# Altium PCB ANALOG_BOARD.PcbDoc (part 2 of 2)
Units mm, origin at the board's own origin, x right, y up, seen from the top; angles counter-clockwise.
Board outline 62.7 x 85.8 mm, 4 copper layers (Top Layer, PWR02, GND03, Bottom Layer), stack 1.883 mm thick; 241 components, 167 nets, 768 pads, 313 vias.
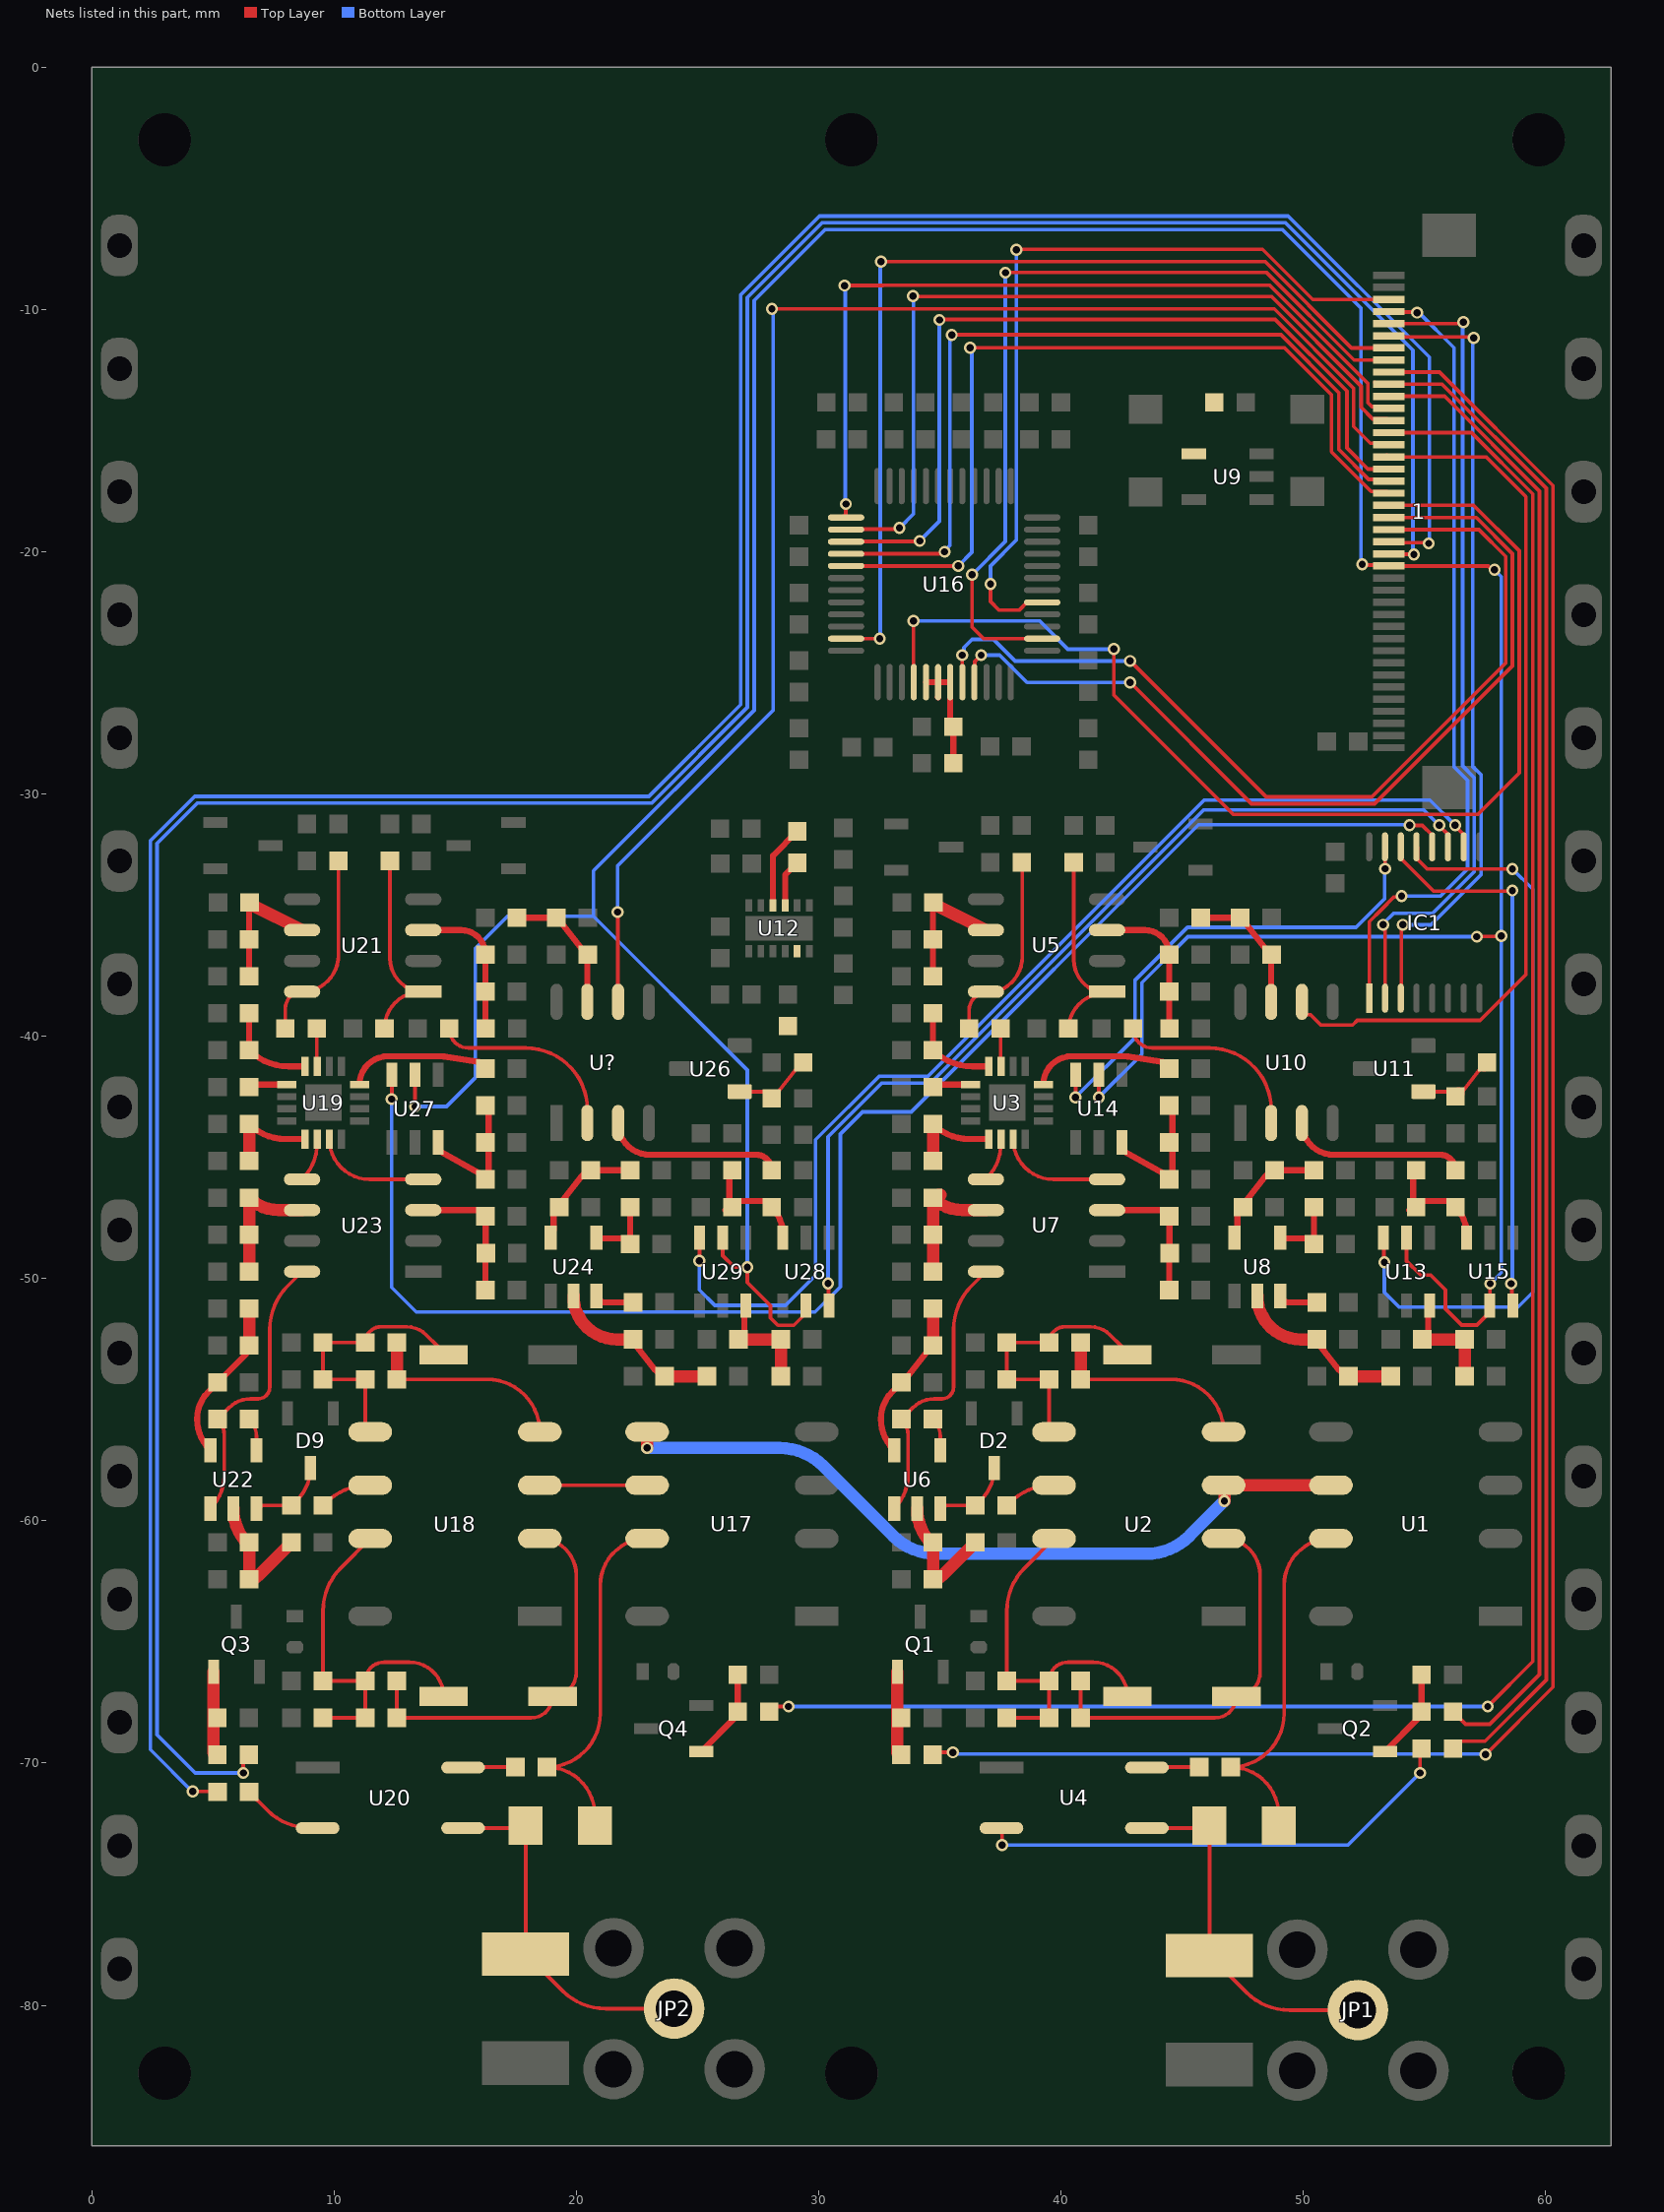
[diagram p4: the nets of this part, all layers, seen from the top]

## Via types
v1: diameter 0.5, hole 0.3, Top Layer to Bottom Layer, tented both sides, 313 vias

## Nets (pads, with @x,y where several pads share a name; then routed paths per layer and width w, separated by ;. In a path a pad name is that pad's centre, name@x,y a point inside that pad or via, vN(x,y) a via of type N, cw(c..) or ccw(c..) an arc to the next point about the centre after c; other vN are vias at no path point) (continued)
Net1_16: 1.16 U13.5 U14.5 U15.5 U27.5 U28.5 U29.5 | length 169.8
  Top Layer w0.152: v1(13.335,-42.901) U27.5@13.335,-41.591 ; U29.5@26.035,-48.322 26.035,-49.055 26.51,-49.53 v1(27.051,-49.53) 27.051,-50.165 28.009,-51.123 28.009,-51.623 28.315,-51.928 28.971,-51.928 29.315,-51.584 29.315,-51.264 U28.5@29.464,-51.116 ; v1(41.554,-42.52) U14.5@41.554,-41.591 ; v1(52.426,-20.523) 52.459,-20.556 53.482,-20.556 1.16@53.515,-20.589 57.63,-20.589 57.793,-20.752 v1(57.887,-20.752) ; U13.5@54.254,-48.322 54.254,-49.276 54.839,-49.86 55.245,-49.86 55.855,-50.47 55.855,-51.249 56.523,-51.918 57.156,-51.918 57.683,-51.391 U15.5@57.683,-51.116 57.696,-51.103 57.696,-50.228 v1(57.709,-50.216) ; v1(57.155,-35.89) 57.167,-35.877 58.154,-35.877 v1(58.166,-35.865)
  Bottom Layer w0.152: v1(13.335,-42.901) 14.636,-42.901 15.82,-41.717 15.82,-36.391 17.159,-35.052 20.701,-35.052 ; v1(27.051,-49.53) 27.051,-41.402 20.701,-35.052 ; v1(41.554,-42.52) 43.332,-40.742 43.332,-37.79 45.233,-35.89 v1(57.155,-35.89) ; v1(52.426,-20.523) 52.375,-20.472 52.375,-9.943 49.138,-6.706 30.254,-6.706 27.33,-9.629 27.33,-26.546 20.701,-33.175 20.701,-35.052 ; v1(57.709,-50.216) 58.166,-49.759 58.166,-21.031 v1(57.887,-20.752)
Net1_17: 1.17 R46.2 | length 125.9
  Top Layer w0.152: v1(6.248,-70.409) 6.248,-69.886 R46.2@6.477,-69.658 ; 1.17@53.515,-20.089 53.527,-20.101 54.547,-20.101 v1(54.559,-20.113)
  Bottom Layer w0.152: v1(6.248,-70.409) 4.267,-70.409 2.692,-68.834 2.692,-32.044 4.358,-30.378 23.103,-30.378 27.051,-26.43 27.051,-9.514 30.139,-6.426 49.253,-6.426 54.515,-11.688 54.515,-20.069 v1(54.559,-20.113)
Net1_18: 1.18 R41.1 | length 126.3
  Top Layer w0.152: v1(4.166,-71.171) 5.13,-71.171 cw(c5.13,-71.258) R41.1@5.192,-71.196 ; 1.18@53.474,-19.548 1.18@53.515,-19.589 53.55,-19.624 55.134,-19.624 v1(55.169,-19.66)
  Bottom Layer w0.152: v1@4.218,-71.249 2.413,-69.444 2.413,-31.928 4.242,-30.099 22.987,-30.099 26.772,-26.314 26.772,-9.398 30.023,-6.147 49.369,-6.147 55.194,-11.972 55.194,-19.634 v1(55.169,-19.66)
Net1_19: 1.19 U16.8 | length 38.7
  Top Layer w0.152: U16.8@35.922,-25.386 v1@35.922,-24.208 ; v1(42.85,-24.511) 48.463,-30.124 52.818,-30.124 58.344,-24.598 58.344,-20.196 57.237,-19.089 1.19@53.515,-19.089
  Bottom Layer w0.152: v1(35.922,-24.269) 35.984,-24.206 35.984,-23.96 36.322,-23.622 37.211,-23.622 38.1,-24.511 v1(42.85,-24.511)
Net1_20: 1.20 U16.9 | length 38.4
  Top Layer w0.152: U16.9@36.422,-25.386 36.44,-25.367 36.44,-24.532 36.697,-24.275 v1(36.697,-24.269) ; v1(42.85,-25.4) 47.854,-30.404 52.934,-30.404 58.623,-24.714 58.623,-20.08 57.132,-18.589 1.20@53.515,-18.589
  Bottom Layer w0.152: v1(36.697,-24.269) 37.463,-24.269 38.594,-25.4 v1(42.85,-25.4)
Net1_21: 1.21 U16.4 | length 48
  Top Layer w0.152: v1(33.909,-22.86) 33.909,-25.373 U16.4@33.922,-25.386 ; v1(42.171,-24.022) 42.171,-25.915 47.098,-30.842 57.196,-30.842 57.315,-30.723 58.903,-29.136 58.903,-19.964 57.027,-18.089 1.21@53.515,-18.089
  Bottom Layer w0.152: v1(33.909,-22.86) 39.116,-22.86 40.278,-24.022 v1(42.171,-24.022)
Net1_22: 1.22 U16.41 | length 35
  Top Layer w0.152: U16.41@31.126,-20.59 v1(35.751,-20.59) ; v1(36.246,-11.582) 49.211,-11.582 50.949,-13.321 51.156,-13.527 51.156,-15.875 52.796,-17.515 53.441,-17.515 1.22@53.515,-17.589
  Bottom Layer w0.152: v1(35.751,-20.59) 36.314,-20.027 36.314,-11.745 36.246,-11.676 v1(36.246,-11.582)
Net1_23: 1.23 U16.40 | length 35.1
  Top Layer w0.152: U16.40@31.126,-20.09 35.014,-20.09 35.099,-20.004 v1(35.193,-20.004) ; v1(35.484,-11.049) 49.072,-11.049 51.46,-13.437 51.46,-15.785 52.691,-17.015 53.441,-17.015 1.23@53.515,-17.089
  Bottom Layer w0.152: v1(35.193,-20.004) 35.193,-19.955 35.408,-19.741 35.408,-11.219 35.484,-11.143 v1(35.484,-11.049)
Net1_24: 1.24 U16.39 | length 35
  Top Layer w0.152: U16.39@31.126,-19.59 31.142,-19.574 34.147,-19.574 v1(34.163,-19.558) ; v1(34.976,-10.435) 34.997,-10.414 48.832,-10.414 51.791,-13.372 51.791,-15.72 52.66,-16.589 1.24@53.515,-16.589
  Bottom Layer w0.152: v1(34.163,-19.558) 34.976,-18.745 v1(34.976,-10.435)
Net1_25: 1.25 U10.6 | length 36.9
  Top Layer w0.152: U10.6@49.936,-38.583 49.936,-38.947 50.097,-39.108 50.284,-39.108 50.712,-39.536 52.031,-39.536 52.222,-39.345 57.292,-39.345 59.182,-37.454 59.182,-17.735 57.536,-16.089 1.25@53.515,-16.089 1.25@53.441,-16.015
Net1_26: 1.26 U?.6 | length 60
  Top Layer w0.152: v1(21.692,-34.874) 21.704,-34.887 21.704,-38.57 U?.6@21.717,-38.583 ; v1(28.063,-9.982) 48.796,-9.982 52.07,-13.256 52.07,-14.834 52.761,-15.525 53.451,-15.525 1.26@53.515,-15.589
  Bottom Layer w0.152: v1(21.692,-34.874) 21.692,-32.975 28.118,-26.549 28.118,-10.037 v1(28.063,-9.982)
Net1_27: 1.27 R49.2 | length 87.7
  Top Layer w0.152: R49.2@28.046,-67.97 28.046,-67.88 28.26,-67.666 v1(28.753,-67.666) ; 1.27@53.515,-15.089 56.931,-15.089 59.461,-17.619 59.461,-65.811 v1(57.607,-67.666)
  Top Layer w0.508: R49.2@27.955,-67.88 R49.2@28.046,-67.97
  Bottom Layer w0.152: v1(28.753,-67.666) v1(57.607,-67.666)
Net1_28: 1.28 U16.38 | length 34.3
  Top Layer w0.152: U16.38@31.126,-19.09 31.144,-19.071 33.278,-19.071 v1(33.325,-19.025) ; v1(33.884,-9.453) 33.905,-9.474 48.683,-9.474 52.382,-13.174 52.382,-14.044 52.854,-14.515 53.441,-14.515 1.28@53.515,-14.589
  Bottom Layer w0.152: v1(33.325,-19.025) 33.909,-18.44 33.909,-9.478 v1(33.884,-9.453)
Net1_29: 1.29 U16.37 | length 34.8
  Top Layer w0.152: U16.37@31.013,-18.545 31.058,-18.59 U16.37@31.126,-18.59 31.115,-18.579 v1(31.115,-18.034) ; v1(31.064,-9.017) 32.639,-9.017 32.657,-9 48.603,-9 52.662,-13.058 52.662,-13.853 52.824,-14.015 53.441,-14.015 1.29@53.515,-14.089
  Bottom Layer w0.152: v1(31.064,-9.017) 31.09,-9.042 31.09,-18.009 v1(31.115,-18.034)
Net1_30: 1.30 R16.2 | length 61.4
  Top Layer w0.152: 1.30@53.441,-13.515 1.30@53.515,-13.589 55.826,-13.589 59.741,-17.503 59.741,-66.351 57.692,-68.4 56.695,-68.4 R16.2@56.174,-67.88
Net1_31: 1.31 R8.1 | length 62.6
  Top Layer w0.152: 1.31@52.941,-13.015 1.31@53.015,-13.089 ; 1.31@53.515,-13.089 55.721,-13.089 60.02,-17.388 60.02,-66.573 57.495,-69.099 56.479,-69.099 R8.1@56.174,-69.404
Net1_32: 1.32 R13.2 | length 85.2
  Top Layer w0.152: R13.2@34.762,-69.723 34.926,-69.559 v1(35.535,-69.559) ; 1.32@53.515,-12.589 55.617,-12.589 60.3,-17.272 60.3,-66.865 v1(57.512,-69.653)
  Top Layer w0.508: R13.2@34.696,-69.658 R13.2@34.762,-69.723
  Bottom Layer w0.152: v1(35.535,-69.559) 35.601,-69.625 57.483,-69.625 v1(57.512,-69.653)
Net1_33: 1.33 U16.14 | length 35.6
  Top Layer w0.152: v1(36.322,-20.955) 36.322,-23.114 36.798,-23.59 U16.14@39.218,-23.59 ; v1(37.698,-8.484) 37.702,-8.48 48.479,-8.48 52.088,-12.089 1.33@53.515,-12.089
  Bottom Layer w0.152: v1(36.322,-20.955) 37.698,-19.579 v1(37.698,-8.484)
Net1_34: 1.34 U16.47 | length 39.4
  Top Layer w0.152: U16.47@31.126,-23.59 31.127,-23.592 32.51,-23.592 v1(32.512,-23.593) ; v1(32.563,-8.026) 48.42,-8.026 51.983,-11.589 1.34@53.515,-11.589
  Bottom Layer w0.152: v1(32.512,-23.593) 32.537,-23.568 32.537,-8.052 v1(32.563,-8.026)
Net1_35: 1.35 IC1.3 | length 33
  Top Layer w0.152: 1.35@53.515,-11.089 53.559,-11.133 56.98,-11.133 v1(57.023,-11.176) ; IC1.3@54.016,-38.431 54.035,-38.412 54.035,-35.461 v1(54.095,-35.4)
  Bottom Layer w0.152: v1(54.095,-35.4) 55.255,-35.4 57.328,-33.328 57.328,-29.21 56.98,-28.862 56.98,-11.219 v1(57.023,-11.176)
Net1_36: 1.36 IC1.2 | length 33.8
  Top Layer w0.152: v1(53.289,-35.4) 53.356,-35.467 53.356,-35.654 53.365,-35.664 53.365,-36.783 ; IC1.2@53.366,-38.431 53.366,-36.784 ; 1.36@53.515,-10.589 53.516,-10.588 56.544,-10.588 v1(56.604,-10.528)
  Bottom Layer w0.152: v1(53.289,-35.4) 53.289,-35.357 53.721,-34.925 55.335,-34.925 57.048,-33.212 57.048,-29.326 56.57,-28.847 56.57,-10.562 v1(56.604,-10.528)
Net1_37: 1.37 IC1.1 | length 33.2
  Top Layer w0.152: IC1.1@52.716,-38.431 52.716,-35.27 53.211,-34.775 53.725,-34.26 54.005,-34.26 v1(54.051,-34.214) ; 1.37@53.515,-10.089 53.538,-10.112 54.663,-10.112 v1(54.686,-10.135)
  Bottom Layer w0.152: v1(54.051,-34.214) 55.651,-34.214 56.769,-33.096 56.769,-29.441 56.21,-28.883 56.21,-11.584 54.761,-10.135 v1(54.686,-10.135)
Net1_38: 1.38 U16.17 | length 33.6
  Top Layer w0.152: v1(37.084,-21.336) 37.084,-22.058 37.443,-22.416 38.266,-22.416 38.593,-22.09 U16.17@39.218,-22.09 ; v1(38.151,-7.54) 38.172,-7.518 48.311,-7.518 50.381,-9.589 1.38@53.515,-9.589
  Bottom Layer w0.152: v1(37.084,-21.336) 37.084,-20.588 38.151,-19.521 v1(38.151,-7.54)
NetB1_2: B1.2 C1.2 U3.12 | length 4
  Top Layer w0.254: B1.2@34.711,-39.051 C1.2@34.711,-40.575 ccw(c36.331,-38.955) 36.331,-41.246 U3.12@37.018,-41.246
NetB2_1: B2.1 C4.1 C5.2 U6.5 | length 6.8
  Top Layer w0.254: U6.5@33.111,-57.098 33.09,-57.076 cw(c34.362,-55.804) 32.563,-55.804 cw(c34.167,-55.804) 33.033,-54.669 33.665,-54.037 34.457,-53.021 C4.1@34.711,-52.767
  Top Layer w0.508: C4.1@34.711,-52.767 B2.1@34.711,-51.243
NetB3_1: B3.1 C6.1 C7.2 U7.3 | length 7.6
  Top Layer w0.254: U7.3@41.514,-47.179 42.014,-47.179 44.206,-47.179 C6.1@44.46,-47.433 44.46,-47.687 C7.2@44.46,-49.211 ; B3.1@44.46,-50.481 44.46,-50.227 C7.2@44.46,-49.211 ; C6.1@44.475,-47.687 C7.2@44.475,-48.957 44.475,-49.211 C7.2@44.46,-49.211
NetB4_1: B4.1 C10.1 U3.1 | length 4
  Top Layer w0.254: C10.1@34.711,-43.623 ccw(c36.216,-42.118) 36.216,-44.246 U3.1@37.018,-44.246
  Top Layer w0.508: B4.1@34.711,-45.147 C10.1@34.711,-43.623
NetB5_1: B5.1 C8.1 C9.2 U5.3 | length 6.2
  Top Layer w0.254: U5.3@41.895,-35.622 43.459,-35.622 cw(c43.459,-36.623) 44.46,-36.623 C9.2@44.46,-36.638 ; C9.2@44.46,-36.765 C8.1@44.46,-38.162 44.46,-39.811 B5.1@44.474,-39.811
NetB6_2: B6.2 C17.2 C18.2 U6.2 | length 5.6
  Top Layer w0.508: U6.2@34.061,-59.498 ccw(c36.172,-59.498) 34.68,-60.99 C18.2@34.711,-61.022 ; C18.2@34.711,-60.895 C18.2@34.711,-61.022 ; B6.2@36.459,-60.895 35.094,-62.26 cw(c34.711,-61.878) C17.2@34.711,-62.419 C18.2@34.711,-61.022
NetB7_2: B7.2 C19.2 C20.2 U7.6 | length 5.7
  Top Layer w0.508: B7.2@34.726,-49.719 cw(c34.763,-49.682) 34.711,-49.682 C19.2@34.711,-48.195 C20.2@34.711,-46.671 ; C20.2@35.018,-46.544 ccw(c35.018,-46.977) C20.2@34.711,-46.671 ; U7.6@36.895,-47.179 35.938,-47.179 cw(c35.938,-45.444) C20.2@34.711,-46.671
NetB8_2: B8.2 C21.2 C22.2 U5.6 | length 5.4
  Top Layer w0.254: B8.2@34.711,-37.527 C22.2@34.711,-36.003 C21.2@34.711,-34.479 ; C21.2@34.711,-34.479 C21.2@34.726,-34.479 C21.2@34.711,-34.479
  Top Layer w0.508: C21.2@34.853,-34.606 U5.6@36.895,-35.622
NetB9_1: B9.1 C24.1 C25.1 U8.5 | length 5.2
  Top Layer w0.254: U8.5@47.268,-48.155 47.27,-47.949 C25.1@47.27,-47.306 ; C25.1@47.508,-47.052 C25.1@47.27,-47.306 ; C24.1@48.681,-45.528 B9.1@50.429,-45.528 ; C24.1@48.681,-45.528 48.427,-45.782 47.635,-46.798 47.381,-47.052 C25.1@47.27,-47.306
NetB10_1: B10.1 C26.1 C27.2 U10.7 | length 5.6
  Top Layer w0.254: B10.1@45.76,-35.114 C27.2@47.381,-35.114 ; C27.2@47.381,-35.114 47.635,-35.368 48.427,-36.384 C26.1@48.681,-36.638 48.666,-36.892 U10.7@48.666,-38.583
NetB11_1: B11.1 C28.1 C29.2 U8.2 | length 7.1
  Top Layer w0.254: C28.1@50.493,-52.576 50.683,-52.767 51.475,-53.783 C29.2@51.666,-53.973
  Top Layer w0.508: U8.2@48.097,-50.722 ccw(c49.888,-50.722) 48.675,-52.039 ccw(c49.888,-50.722) 49.888,-52.513 C28.1@50.556,-52.513 ; C29.2@51.856,-54.037 B11.1@53.604,-54.037
NetB12_2: B12.2 C41.1 C42.1 U14.3 | length 5.6
  Top Layer w0.254: U14.3@42.504,-44.385 42.602,-44.758 44.206,-45.655 C41.1@44.46,-45.909 ; C41.1@44.572,-45.909 44.587,-45.909 B12.2@44.587,-42.861
NetB13_2: B13.2 C43.1 C44.1 U15.3 | length 4.4
  Top Layer w0.254: B13.2@54.523,-45.401 54.523,-46.798 C43.1@56.144,-46.798 ; C43.1@56.271,-47.052 cw(c55.156,-48.167) 56.733,-48.167 U15.3@56.733,-48.322
NetB14_2: B14.2 C39.1 C40.1 U13.3 | length 4.8
  Top Layer w0.254: C39.1@54.904,-52.513 ccw(c54.904,-52.274) 55.143,-52.274 55.143,-51.177 cw(c55.204,-51.177) U13.3@55.204,-51.116
  Top Layer w0.508: C39.1@54.904,-52.513 56.54,-52.513 cw(c56.54,-52.64) 56.667,-52.64 56.667,-54.037 B14.2@56.652,-54.037
NetB15_2: B15.2 C57.2 U19.12 | length 4
  Top Layer w0.254: B15.2@6.492,-39.051 C57.2@6.492,-40.575 ccw(c8.112,-38.955) 8.112,-41.246 U19.12@8.799,-41.246
NetB16_1: B16.1 C60.1 C61.2 U22.5 | length 6.8
  Top Layer w0.254: U22.5@4.892,-57.098 4.87,-57.076 cw(c6.142,-55.804) 4.343,-55.804 cw(c5.948,-55.804) 4.813,-54.669 C61.2@5.192,-54.291 6.334,-53.149 ccw(c5.951,-52.767) C60.1@6.492,-52.767
  Top Layer w0.508: C60.1@6.492,-52.767 B16.1@6.492,-51.243
NetB17_1: B17.1 C62.1 C63.2 U23.3 | length 7.6
  Top Layer w0.254: U23.3@13.295,-47.179 13.795,-47.179 15.987,-47.179 C62.1@16.241,-47.433 16.241,-47.687 C63.2@16.241,-49.211 ; B17.1@16.241,-50.481 16.241,-50.227 C63.2@16.241,-49.211 ; C62.1@16.256,-47.687 C63.2@16.256,-48.957 16.256,-49.211 C63.2@16.241,-49.211
NetB18_1: B18.1 C66.1 U19.1 | length 4
  Top Layer w0.254: C66.1@6.492,-43.623 ccw(c7.996,-42.118) 7.996,-44.246 U19.1@8.799,-44.246
  Top Layer w0.508: B18.1@6.492,-45.147 C66.1@6.492,-43.623
NetB19_1: B19.1 C64.1 C65.2 U21.3 | length 6.2
  Top Layer w0.254: U21.3@13.676,-35.622 15.24,-35.622 cw(c15.24,-36.623) 16.241,-36.623 C65.2@16.241,-36.638 ; C65.2@16.241,-36.765 C64.1@16.241,-38.162 16.241,-39.811 B19.1@16.255,-39.811
NetB20_2: B20.2 C73.2 C74.2 U22.2 | length 5.6
  Top Layer w0.508: U22.2@5.842,-59.498 ccw(c7.952,-59.498) 6.46,-60.99 C74.2@6.492,-61.022 ; C74.2@6.492,-60.895 C74.2@6.492,-61.022 ; B20.2@8.24,-60.895 6.874,-62.26 cw(c6.492,-61.878) C73.2@6.492,-62.419 C74.2@6.492,-61.022
NetB21_2: B21.2 C75.2 C76.2 U23.6 | length 5.4
  Top Layer w0.508: B21.2@6.507,-49.719 cw(c6.543,-49.682) 6.492,-49.682 C75.2@6.492,-48.195 C76.2@6.492,-46.671 ccw(c7.718,-45.444) 7.718,-47.179 U23.6@8.676,-47.179
NetB22_2: B22.2 C77.2 C78.2 U21.6 | length 5.5
  Top Layer w0.254: B22.2@6.492,-37.527 C78.2@6.492,-36.003 6.492,-34.479 C77.2@6.507,-34.479
  Top Layer w0.508: C77.2@6.507,-34.479 6.634,-34.606 U21.6@8.676,-35.622
NetB23_1: B23.1 C80.1 C81.1 U24.5 | length 5.2
  Top Layer w0.254: U24.5@19.048,-48.155 19.051,-47.949 C81.1@19.051,-47.306 ; C81.1@19.289,-47.052 C81.1@19.051,-47.306 ; C80.1@20.462,-45.528 B23.1@22.21,-45.528 ; C80.1@20.462,-45.528 20.208,-45.782 19.416,-46.798 19.162,-47.052 C81.1@19.051,-47.306
NetB24_1: B24.1 C82.1 C83.2 U?.7 | length 5.6
  Top Layer w0.254: B24.1@17.541,-35.114 C83.2@19.162,-35.114 ; C83.2@19.162,-35.114 19.416,-35.368 20.208,-36.384 C82.1@20.462,-36.638 20.447,-36.892 U?.7@20.447,-38.583
NetB25_1: B25.1 C84.1 C85.2 U24.2 | length 7.1
  Top Layer w0.254: C84.1@22.273,-52.576 22.464,-52.767 23.256,-53.783 C85.2@23.446,-53.973
  Top Layer w0.508: U24.2@19.878,-50.722 ccw(c21.669,-50.722) 20.455,-52.039 ccw(c21.669,-50.722) 21.669,-52.513 C84.1@22.337,-52.513 ; C85.2@23.637,-54.037 B25.1@25.385,-54.037
NetB26_2: B26.2 C88.1 C89.1 U27.3 | length 5.6
  Top Layer w0.254: U27.3@14.285,-44.385 14.383,-44.758 15.987,-45.655 C88.1@16.241,-45.909 ; C88.1@16.353,-45.909 16.368,-45.909 B26.2@16.368,-42.861
NetB27_2: B27.2 C90.1 C91.1 U28.3 | length 4.4
  Top Layer w0.254: B27.2@26.304,-45.401 26.304,-46.798 C90.1@27.925,-46.798 ; C90.1@28.052,-47.052 cw(c26.936,-48.167) 28.514,-48.167 U28.3@28.514,-48.322
NetB28_2: B28.2 C92.1 C93.1 U29.3 | length 4.8
  Top Layer w0.254: C92.1@26.685,-52.513 ccw(c26.685,-52.274) 26.924,-52.274 26.924,-51.177 cw(c26.985,-51.177) U29.3@26.985,-51.116
  Top Layer w0.508: C92.1@26.685,-52.513 28.321,-52.513 cw(c28.321,-52.64) 28.448,-52.64 28.448,-54.037 B28.2@28.433,-54.037
NetC2_1: C2.1 G1.1 JP1.1 U4.3 | length 14.9
  Top Layer w0.152: U4.3@43.538,-72.686 45.865,-72.686 ccw(c45.865,-72.32) C2.1@46.123,-72.579 ; C2.1@46.016,-72.686 cw(c45.758,-72.944) 46.123,-72.944 G1.1@46.123,-77.887 ; G1.1@46.123,-77.949 47.629,-79.455 ccw(c49.426,-77.659) 49.426,-80.199 JP1.1@52.324,-80.199
NetC2_2: C2.2 R2.2 U1.7 | length 15.4
  Top Layer w0.152: C2.2@48.973,-72.579 48.973,-72.141 ccw(c46.998,-72.141) R2.2@46.998,-70.166 ccw(c46.998,-67.964) 49.2,-67.964 49.2,-62.668 cw(c51.135,-62.668) U1.7@51.135,-60.733
  Top Layer w0.508: U1.7@51.135,-60.733 U1.7@51.156,-60.712
NetC3_2: C3.2 U3.13 | length 1.6
  Top Layer w0.254: C3.2@34.711,-42.099 cw(c34.96,-42.348) 34.96,-41.995 U3.13@36.268,-41.995
NetC11_1: C11.1 C12.1 C14.2 R3.1 R6.2 U2.7 | length 16.1
  Top Layer w0.152: C14.2@37.759,-68.134 C12.1@39.507,-68.134 R3.1@39.507,-66.61 ; U2.7@39.705,-60.733 38.503,-61.935 ccw(c40.299,-63.731) 37.759,-63.731 R6.2@37.759,-66.61 R3.1@39.507,-66.61 ; C11.1@42.733,-67.245 ccw(c41.326,-67.245) 41.326,-65.837 40.28,-65.837 ccw(c40.28,-66.61) R3.1@39.507,-66.61
NetC11_2: C11.2 C12.2 R3.2 U2.2 | length 16.5
  Top Layer w0.152: C12.2@40.807,-68.134 R3.2@40.807,-66.61 ; C12.2@40.934,-68.134 46.344,-68.134 ccw(c46.344,-67.245) C11.2@47.233,-67.245 ccw(c47.233,-66.269) 48.209,-66.269 48.209,-62.236 ccw(c46.705,-62.236) U2.2@46.705,-60.733
  Top Layer w0.508: R3.2@40.807,-66.61 cw(c40.807,-66.737) R3.2@40.934,-66.737
NetC13_1: C13.1 C15.1 C16.2 R4.1 R10.2 U2.5 | length 11.4
  Top Layer w0.152: U2.5@39.507,-56.135 R4.1@39.507,-54.164 R10.2@37.759,-54.164 C16.2@37.759,-52.64 C13.1@39.507,-52.64 cw(c40.153,-52.64) 40.153,-51.994 41.214,-51.994 cw(c41.214,-53.121) 42.012,-52.324 42.484,-52.796 cw(c42.132,-53.148) C15.1@42.629,-53.148
  Top Layer w0.254: C15.1@42.38,-52.941 ccw(c42.629,-52.894) C15.1@42.481,-53.1 ; C15.1@42.547,-53.148 42.629,-53.148 C15.1@42.733,-53.148
NetC13_2: C13.2 R4.2 U2.4 | length 8.7
  Top Layer w0.152: R4.2@40.807,-54.164 44.536,-54.164 cw(c44.536,-56.333) U2.4@46.705,-56.333
  Top Layer w0.508: R4.2@40.807,-54.164 C13.2@40.807,-52.64
NetC23_1: C23.1 U3.8 | length 6.1
  Top Layer w0.254: U3.8@39.266,-41.995 cw(c40.432,-41.995) 40.432,-40.829 40.523,-40.829 ; 40.523,-40.829 42.729,-40.837 cw(c42.729,-41.091) 42.768,-40.84 44.333,-41.083 C23.1@44.587,-41.337
NetC33_2: C33.2 U9.4
NetC36_2: C36.2 U12.5
NetC37_1: C37.1 U12.10 | length 3.5
  Top Layer w0.254: U12.10@28.108,-34.606 28.108,-32.542 C37.1@29.108,-31.543
NetC37_2: C37.2 U12.9 | length 2
  Top Layer w0.254: U12.9@28.608,-34.606 28.608,-33.342 C37.2@29.108,-32.843
NetC54_2: C54.2 C55.1 U16.5 U16.6 U16.7 | length 4.4
  Top Layer w0.254: U16.5@34.422,-25.386 U16.6@34.922,-25.386 U16.7@35.422,-25.386 35.422,-26.92 ccw(c35.858,-26.92) C54.2@35.55,-27.229 C55.1@35.55,-28.727 ; U16.6@34.922,-26.007 U16.6@34.93,-26.015
NetC58_1: C58.1 G2.1 JP2.1 U20.3 | length 14.9
  Top Layer w0.152: U20.3@15.319,-72.686 17.646,-72.686 ccw(c17.646,-72.32) C58.1@17.904,-72.579 ; C58.1@17.797,-72.686 cw(c17.539,-72.944) 17.904,-72.944 G2.1@17.904,-77.887 19.41,-79.393 ccw(c21.206,-77.597) 21.206,-80.137 JP2.1@24.105,-80.137
NetC58_2: C58.2 R35.2 U17.7 | length 15.3
  Top Layer w0.152: C58.2@20.754,-72.579 20.754,-72.141 ccw(c18.779,-72.141) R35.2@18.779,-70.166 ccw(c18.779,-67.964) 20.98,-67.964 20.98,-62.668 cw(c22.916,-62.668) U17.7@22.916,-60.733
NetC59_2: C59.2 U19.13 | length 1.6
  Top Layer w0.254: C59.2@6.492,-42.099 cw(c6.741,-42.348) 6.741,-41.995 U19.13@8.049,-41.995
NetC67_1: C67.1 C68.1 C70.2 R36.1 R39.2 U18.7 | length 16.1
  Top Layer w0.152: C70.2@9.54,-68.134 C68.1@11.288,-68.134 R36.1@11.288,-66.61 ; U18.7@11.486,-60.733 10.284,-61.935 ccw(c12.08,-63.731) 9.54,-63.731 R39.2@9.54,-66.61 R36.1@11.288,-66.61 ; C67.1@14.514,-67.245 ccw(c13.106,-67.245) 13.106,-65.837 12.061,-65.837 ccw(c12.061,-66.61) R36.1@11.288,-66.61
NetC67_2: C67.2 C68.2 R36.2 U18.2 | length 16.3